# Altium PCB Copy of Mixed Signal Board Project.PcbDoc (part 2 of 2)
Units mm, origin at the board's own origin, x right, y up, seen from the top; angles counter-clockwise.
Board outline 70.23 x 70.1 mm, 4 copper layers (Top Layer, GND, VCC, Bottom Layer), stack 1.565 mm thick; 189 components, 143 nets, 740 pads, 207 vias.
Unrouted connection lines stored in the file: 249.
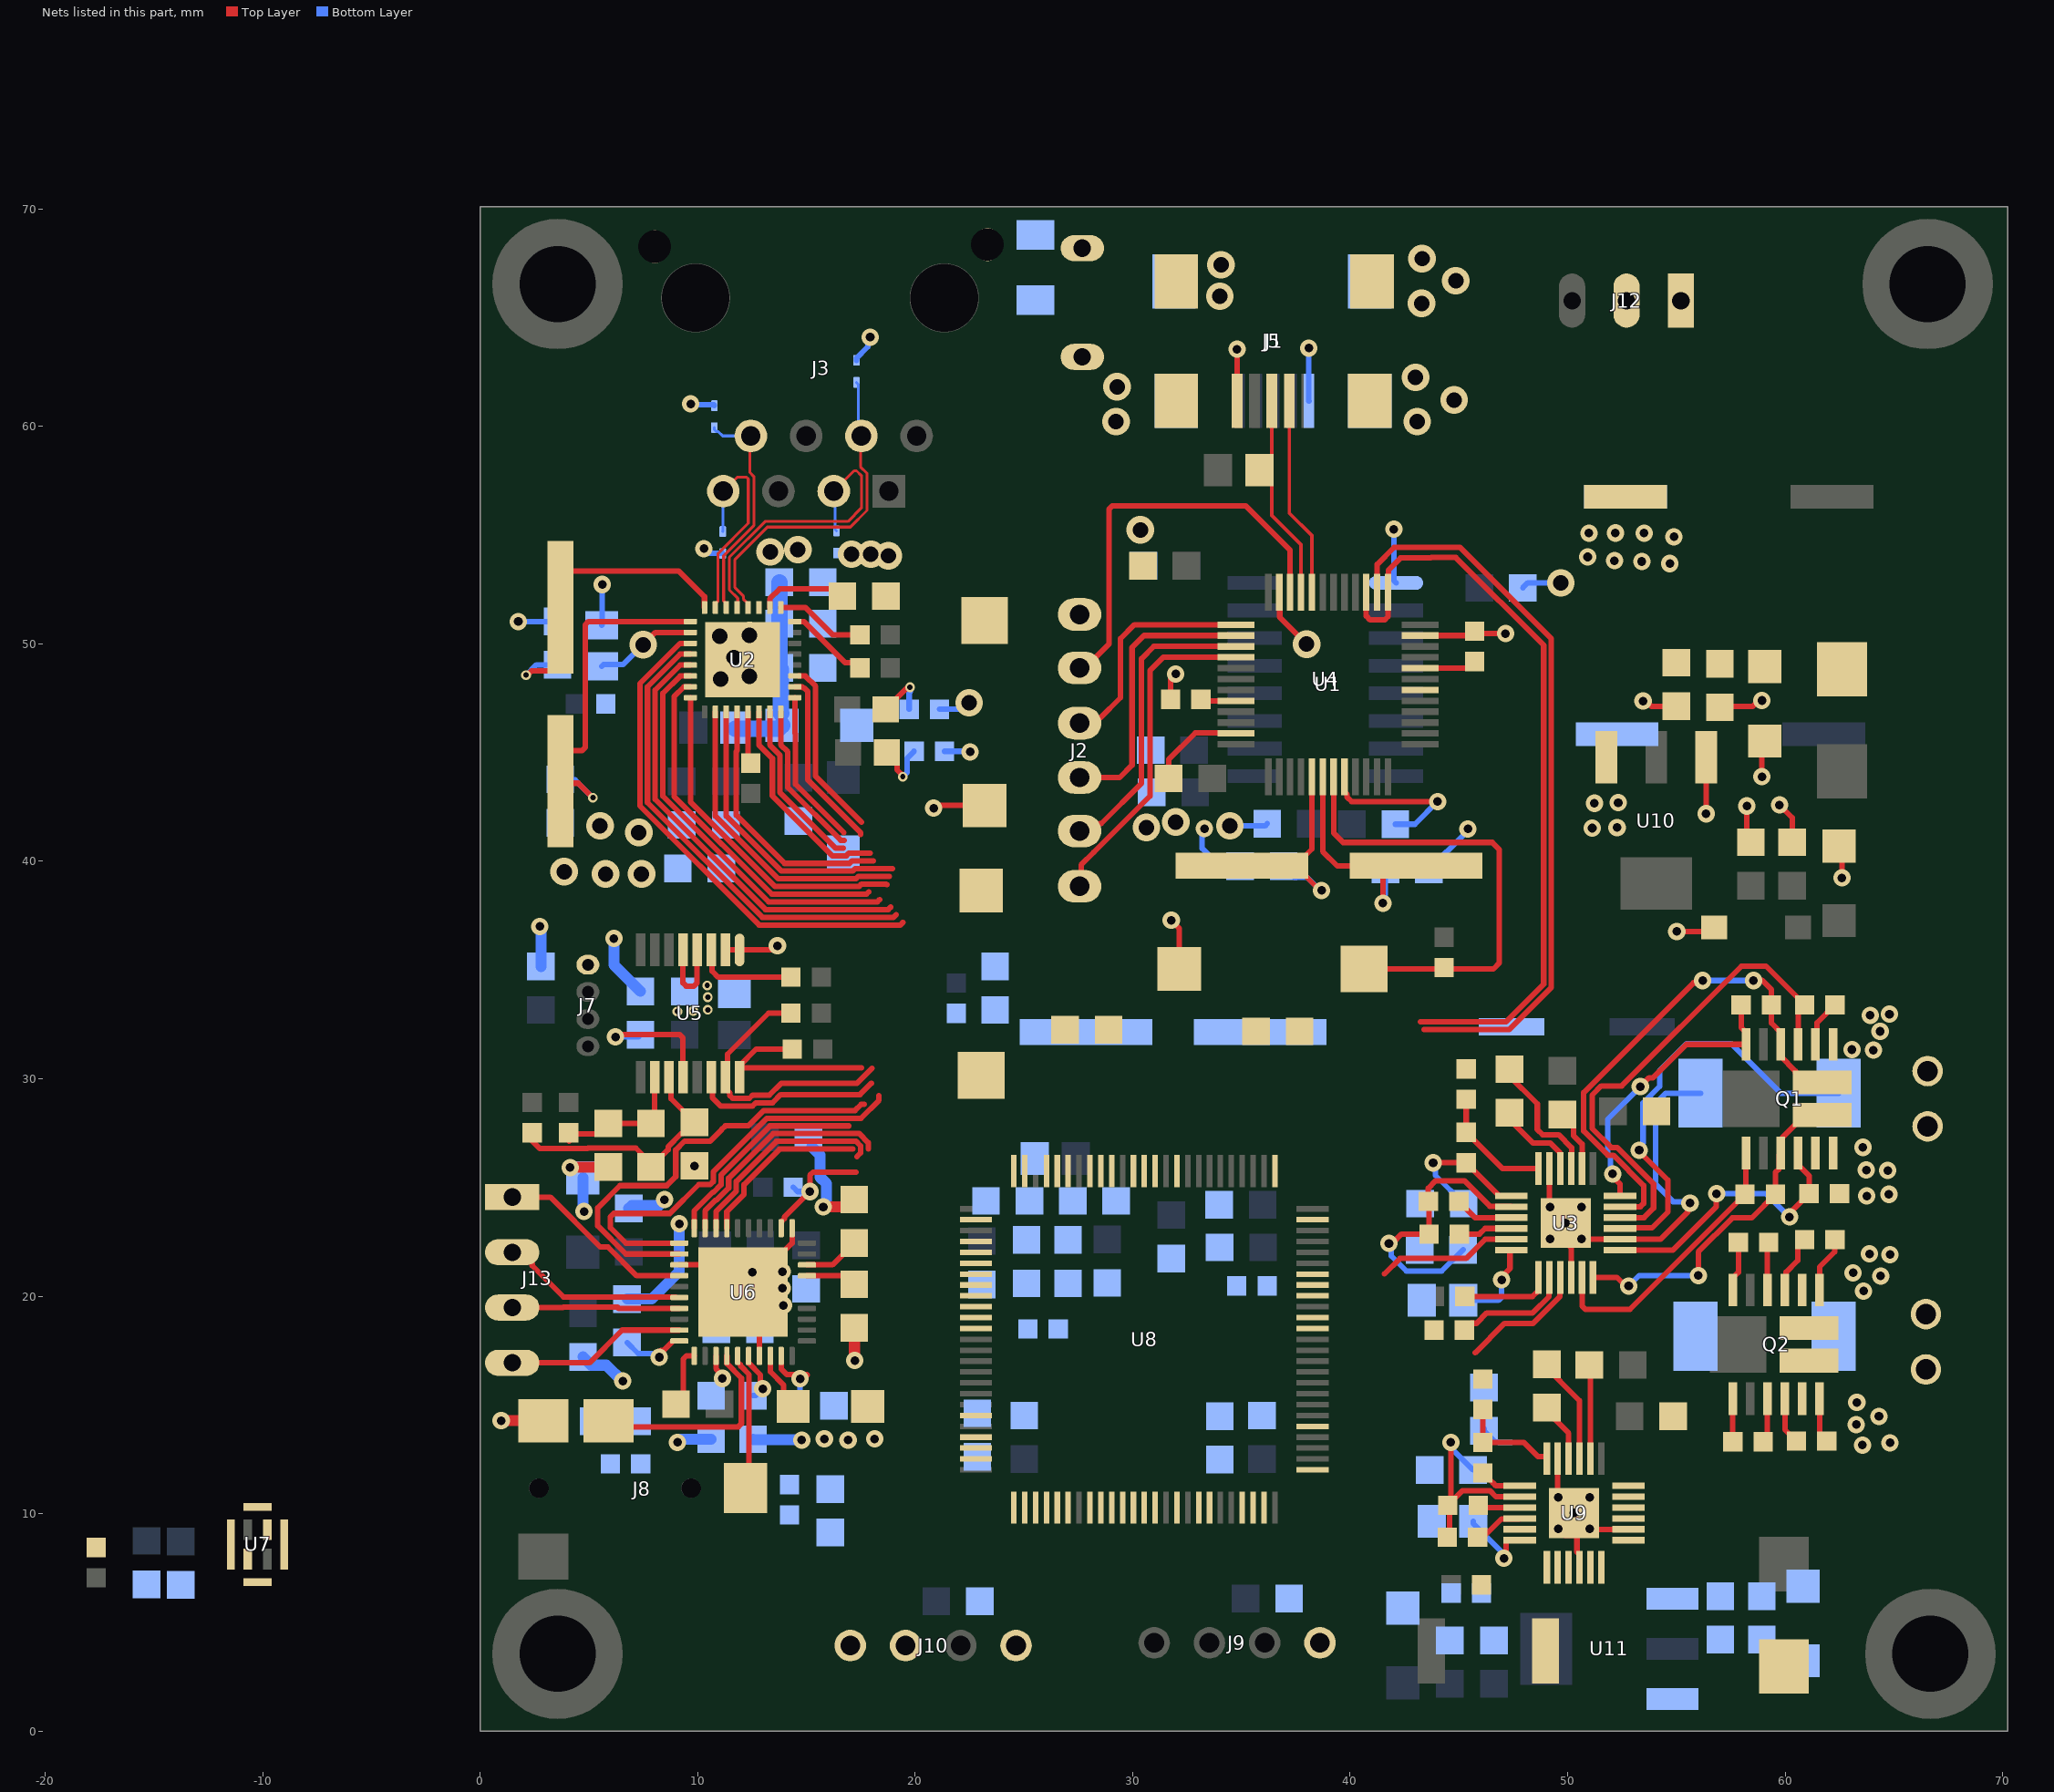
[diagram p4: the nets of this part, all layers, seen from the top]

## Via types
v1: diameter 0.8, hole 0.4, Top Layer to Bottom Layer, 154 vias
v2: diameter 1.27, hole 0.711, Top Layer to Bottom Layer, 40 vias
v3: diameter 0.45, hole 0.25, Top Layer to Bottom Layer, 13 vias

## Nets (pads, with @x,y where several pads share a name; then routed paths per layer and width w, separated by ;. In a path a pad name is that pad's centre, name@x,y a point inside that pad or via, vN(x,y) a via of type N, cw(c..) or ccw(c..) an arc to the next point about the centre after c; other vN are vias at no path point) (continued)
DOUT_MIC: U7.4 U8.53
DRDY: U5.14 U8.56 | length 8.9
  Top Layer w0.254: U5.14@10.625,30.078 10.677,30.026 10.677,29.125 11.055,28.747 12.525,28.747 12.673,28.896 13.446,28.896 13.821,29.271 17.46,29.271 17.983,29.794
DVDD: C25.1 R22.2 R23.2 U3.8 | length 13.2
  Top Layer w0.254: v1(41.783,22.428) 41.931,22.428 42.363,22.86 R23.2@43.624,22.86 43.624,24.333 R22.2@43.599,24.359 43.586,24.371 43.586,24.968 43.917,25.298 45.266,25.298 46.424,24.141 47.388,24.141 U3.8@47.411,24.118
  Bottom Layer w0.254: v1(41.783,22.428) 41.887,22.324 41.887,21.852 42.581,21.158 44.212,21.158 C25.1@45.192,22.138
DVDD_2: C71.1 R46.2 R47.2 U9.8 | length 9.7
  Top Layer w0.254: R47.2@44.463,8.915 44.577,9.03 R46.2@44.577,10.478 ; v1(44.628,13.284) 44.628,10.528 R46.2@44.577,10.478 ; U9.8@47.792,10.783 46.701,10.783 46.424,11.06 45.16,11.06 R46.2@44.577,10.478
  Bottom Layer w0.254: v1(44.628,13.284) 44.732,13.18 44.732,12.935 C71.1@45.653,12.014
EARTH: C21.1 R12.1
EN: R24.2 U3.14 U8.45 | length 5.4
  Top Layer w0.254: R24.2@45.25,18.44 45.568,18.758 45.809,18.758 46.283,19.232 48.391,19.232 49.138,19.979 49.138,20.841 U3.14@49.161,20.864
EN_2: R48.2 U8.66 U9.14
EXT_UART_RX: J10.1 U8.69
EXT_UART_TX: J10.2 U8.68
FAULT: R22.1 U3.9 U8.62 | length 2.7
  Top Layer w0.254: R22.1@44.996,24.359 45.737,23.618 U3.9@47.411,23.618
FAULT_2: R46.1 U8.59 U9.9 | length 2
  Top Layer w0.254: R46.1@45.885,10.389 45.991,10.283 U9.9@47.792,10.283
GH1: Q1.1 R15.2 U3.17 | length 13
  Top Layer w0.254: U3.17@50.661,20.864 50.661,19.554 50.81,19.406 52.87,19.406 57.836,24.371 58.124,24.66 58.198,24.734 Q1.1@58.198,26.583
GH1_2: Q2.1 R39.2 U9.17 | length 2
  Top Layer w0.254: Q2.1@57.587,15.292 57.587,13.317 R39.2@57.594,13.31
GH2: Q1.12 R16.2 U3.24 | length 13.5
  Top Layer w0.254: v1(52.07,25.629) 52.07,25.49 52.411,25.149 U3.24@52.411,24.618 ; v1(53.34,29.642) 53.746,30.048 53.924,30.048 55.459,31.583 Q1.12@58.198,31.583 58.198,32.133 57.975,32.356 R16.2@57.975,33.401
  Bottom Layer w0.254: v1(52.07,25.629) 51.968,25.73 51.968,26.41 51.841,26.537 51.841,28.143 v1(53.34,29.642)
GH2_2: Q2.12 R40.2 U9.24 | length 2.3
  Top Layer w0.254: Q2.12@57.587,20.292 57.587,20.842 57.848,21.103 R40.2@57.848,22.479
GL1: Q1.4 R17.2 U3.19 | length 13.2
  Top Layer w0.254: U3.19@52.411,22.118 54.833,22.118 56.839,24.124 56.839,24.708 v1(56.845,24.714) ; v1(60.198,23.647) 60.302,23.752 60.302,23.917 R17.2@61.1,24.714 61.1,25.54 60.679,25.96 60.671,25.96 60.598,26.033 Q1.4@60.598,26.583
  Bottom Layer w0.254: v1(56.845,24.714) 59.131,24.714 v1(60.198,23.647)
GL1_2: Q2.4 R41.2 U9.19 | length 2.2
  Top Layer w0.254: Q2.4@59.987,15.292 59.987,13.863 R41.2@60.515,13.335
GL2: Q1.9 R18.2 U3.22 | length 23.1
  Top Layer w0.254: U3.22@52.411,23.618 53.514,23.618 53.95,24.054 53.95,25.171 52.28,26.841 52,26.841 51.13,27.711 51.13,29.254 51.547,29.671 52.482,29.671 57.99,35.179 59.118,35.179 R18.2@60.896,33.401 60.598,33.103 Q1.9@60.598,31.583
GL2_2: Q2.9 R42.2 U9.22 | length 2.7
  Top Layer w0.254: Q2.9@59.987,20.292 60.046,20.351 60.046,21.107 60.579,21.641 60.579,22.288 R42.2@60.896,22.606
GND: C1.1 C2.2 C3.2 C4.1 C5.1 C6.1 C7.1 C8.1 C9.2 C10.2 C11.2 C12.1 C13.1 C14.1 C15.2 C16.1 C17.1 C18.1 C19.2 C20.2 C23.2 C24.1 C25.2 C26.1 C27.1 C28.1 C30.1 C31.2 C32.2 C33.1 C34.1 C35.1 C36.1 C37.1 C39.1 C40.1 C41.1 C42.1 C43.1 C44.2 C45.2 C46.2 C47.2 C48.1 C49.1 C50.1 C51.1 C52.1 C53.1 C54.1 C55.1 C56.1 C57.1 C58.1 C59.1 C60.1 C61.1 C62.1 C63.1 C64.1 C65.1 C66.1 C67.1 C70.1 C71.2 C72.2 C73.2 C74.2 C75.1 C76.1 C77.1 C78.2 C79.1 C80.1 C81.1 C82.1 C83.1 C84.2 C85.1 C86.1 C87.1 C88.1 C90.1 C92.1 C93.2 D1.A D2.A D3.A D4.A D6.A D8.A J1.5 J1.6 J2.6 J5.5 J5.6 J7.4 J8.1 J9.4 J10.4 J12.1 J12.2 R1.2 R4.1 R6.2 R7.2 R10.1 R14.2 R19.1 R20.1 R24.1 R34.1 R36.1 R38.2 R43.1 R44.1 R48.1 SW1.1 SW2.1 SW3.1 U1.8 U1.23 U1.35 U1.47 U2.33 U3.5 U3.16 U3.20 U3.25 U4.1 U5.1 U5.2 U5.4 U5.5 U6.3 U6.17 U6.31 U6.41 U7.5 U8.10 U8.20 U8.27 U8.74 U8.99 U9.5 U9.16 U9.20 U9.25 U10.1 U11.1 | length 136.5
  Top Layer w0.254: U6.3@9.155,21.443 10.84,21.443 U6.41@12.09,20.193 ; U5.5@9.325,35.928 9.325,34.413 9.474,34.265 9.826,34.265 9.975,34.413 U5.4@9.975,35.928 ; U5.2@11.275,35.928 U5.1@11.925,35.928 13.475,35.928 v1(13.665,36.119) ; U6.17@12.84,17.258 12.84,19.443 U6.41@12.09,20.193 ; U6.31@14.34,23.128 14.34,22.443 U6.41@12.09,20.193 ; v1(20.853,42.443) 20.98,42.57 SW2.1@23.19,42.57 ; C3.2@31.655,43.815 31.655,44.685 32.876,45.906 34.728,45.906 U1.47@34.751,45.883 ; R1.2@31.737,47.447 31.737,48.374 v1(31.979,48.616) ; v1(31.775,37.287) 32.14,36.923 SW1.1@32.14,35.052 ; v1(34.798,63.551) 34.801,63.548 34.801,61.178 J1.5@34.804,61.175 ; U1.35@36.739,52.371 36.762,52.348 36.762,51.224 v2(37.998,49.987) ; U1.8@39.739,43.895 39.739,43.195 39.862,43.072 39.862,42.951 40.065,42.748 v1(44.018,42.748) ; U1.23@43.227,50.383 45.519,50.383 R4.1@45.72,50.584 45.834,50.47 v1(47.142,50.47) ; U3.5@49.161,25.868 49.161,24.118 v1(49.186,24.093) ; v1(49.186,22.643) 49.749,22.643 50.161,22.231 U3.16@50.161,20.864 ; U9.5@49.542,12.533 49.542,10.783 v1(49.567,10.758) ; v1(49.567,9.308) 49.865,9.01 50.428,9.01 50.428,8.243 50.542,8.129 U9.16@50.542,7.529 ; v1(50.636,22.643) 50.661,22.618 U3.20@52.411,22.618 54.266,22.618 55.522,23.873 55.522,24.178 v1(55.626,24.282) ; v1(51.017,9.308) 51.042,9.283 U9.20@52.792,9.283 ; v1(53.467,47.371) 53.615,47.371 53.853,47.133 C80.1@54.991,47.133 ; v1(55.016,36.779) 56.553,36.779 D6.A@56.737,36.963 ; v1(56.363,42.189) 56.377,42.203 U10.1@56.377,44.785 ; C78.2@56.998,47.082 57.033,47.117 58.501,47.117 58.78,47.396 v1(58.928,47.396) ; v1(58.242,42.545) 58.242,41.056 C75.1@58.42,40.878 ; v1(58.928,43.891) 58.928,45.398 C79.1@59.06,45.53 ; v1(59.741,42.596) 60.325,42.012 C76.1@60.325,40.878 ; C77.1@62.479,40.703 62.611,40.571 v1(62.611,39.243)
  Top Layer w0.508: v1(0.966,14.276) v1(0.966,14.276) J8.1@2.898,14.276 ; v1@4.42,25.933 5.877,25.933 C87.1@5.893,25.949 ; v1(15.773,24.105) 16.856,24.105 C45.2@17.196,24.444 ; C44.2@17.196,18.549 17.209,18.536 17.209,17.056 v1(17.221,17.043)
  Bottom Layer w0.254: v1@1.762,51.038 v1(1.753,51.029) 3.547,51.029 C15.2@3.556,51.038 ; C20.2@3.683,41.774 C20.2@3.826,41.631 ; R10.1@5.588,50.861 5.613,50.886 v1(5.613,52.73) ; v1(9.677,61.036) 9.718,60.995 10.747,60.995 10.77,60.972 D2.A@10.77,60.954 ; v1(10.287,54.381) 10.51,54.159 D1.A@11.151,54.159 ; D4.A@17.297,63.037 17.297,63.132 17.828,63.662 17.828,64.005 v1(17.932,64.11) ; R7.2@21.12,46.99 22.276,46.99 v2@22.377,47.092 ; R6.2@21.349,45.06 22.504,45.06 v1(22.53,45.034) ; v1(33.299,41.504) 33.195,41.399 33.195,40.853 33.191,40.85 33.191,40.596 34.011,39.776 C4.1@34.941,39.776 ; v2(34.468,41.631) 36.084,41.631 C7.1@36.186,41.732 ; v1(38.1,63.602) 38.102,63.6 38.102,61.177 J5.5@38.104,61.175 ; v1(42.012,55.27) 42.012,52.907 U4.1@42.112,52.807 ; C8.1@42.072,41.707 42.977,41.707 v1(44.018,42.748) ; C6.1@43.621,39.624 45.314,41.317 45.314,41.394 v1(45.415,41.496) ; C9.2@47.939,52.578 48.168,52.806 v2(49.682,52.806) ; v1(55.626,24.282) 55.556,24.352 54.845,24.352 54.051,25.146 54.051,28.88 54.508,29.337 R20.1@56.109,29.337
  Bottom Layer w0.508: v1(2.743,37.008) 2.794,36.957 C30.1@2.794,35.163 ; C40.1@4.724,17.212 5.105,16.831 5.801,16.831 6.528,16.104 v1(6.553,16.104) ; C41.1@4.724,25.451 4.724,23.952 v1(4.775,23.901) ; v1(6.147,36.449) 6.147,35.239 C28.1@7.366,34.02 ; C39.1@6.756,19.872 7.883,19.872 9.156,21.145 v1(9.156,23.336) ; C42.1@6.833,24.038 6.976,24.181 8.23,24.181 8.472,24.423 v1(8.472,24.446) ; v1(9.068,13.284) 9.211,13.427 C37.1@10.617,13.427 ; C36.1@12.548,13.427 12.568,13.407 14.762,13.407 v1(14.783,13.386) ; C43.1@15.249,26.873 15.63,26.492 15.63,25.476 15.918,25.189 15.918,24.328 15.773,24.184 v1(15.773,24.105)
  other v1: 50.292,10.033 51.017,10.758 16.916,13.386 15.824,13.437 18.136,13.437 13.945,19.583 13.894,20.371 12.522,21.107 13.894,21.133 49.911,23.368 50.636,24.093 4.135,25.921 9.855,25.984 51.13,41.529 52.273,41.554 51.232,42.672 52.324,42.697 54.697,53.695 53.406,53.79 52.154,53.828 50.921,53.998 54.887,54.928 50.978,55.093 52.192,55.099 53.518,55.093
  other v2: 5.766,39.421 7.417,39.421 3.861,39.522 7.29,41.326 30.632,41.554 5.512,41.631 31.979,41.808 22.479,47.295 11.049,48.387 12.384,48.514 11.659,49.378 11.024,50.343 12.384,50.394 18.771,54.051 17.069,54.127 17.958,54.127 30.353,55.245 29.235,60.223 43.078,60.223 44.78,61.214 29.286,61.824 43.002,62.255 43.282,65.659 34.011,65.989 44.856,66.7 34.061,67.437 43.307,67.716
  other v3: 9.068,33.096 9.804,33.122 10.465,33.172 10.465,33.757 10.439,34.29
INT: R9.1 U2.21 | length 2.4
  Top Layer w0.254: U2.21@12.315,46.876 12.315,44.644 R9.1@12.446,44.513
JTCK/SWCLK_F103: J2.4 U1.37 | length 10.7
  Top Layer w0.254: J2.4@27.559,46.355 27.797,46.593 28.509,46.593 29.439,47.523 29.439,50.241 30.08,50.883 U1.37@34.751,50.883
JTCLK_408: U1.18 U8.76
JTDI_F103: J2.3 U1.38 | length 13.1
  Top Layer w0.254: J2.3@27.559,43.855 29.402,43.855 29.972,44.425 29.972,49.835 30.52,50.383 U1.38@34.751,50.383
JTDO_F103: J2.2 U1.39 | length 14.1
  Top Layer w0.254: J2.2@27.559,41.395 28.146,41.395 28.49,41.739 28.556,41.739 30.404,43.586 30.404,49.318 30.969,49.883 U1.39@34.751,49.883
JTMS/SWDIO_F103: J2.5 U1.34 | length 19.2
  Top Layer w0.254: J2.5@27.559,48.895 27.809,48.895 28.905,49.991 28.905,56.188 29.054,56.337 35.204,56.337 37.239,54.303 U1.34@37.239,52.371
JTMS_F407: U1.25 U1.27 U8.72 | length 35.4
  Top Layer w0.254: U1.27@40.739,52.371 40.739,51.285 40.919,51.105 41.59,51.105 41.739,51.254 U1.25@41.739,52.371 41.754,52.386 41.754,53.387 42.316,53.95 43.713,53.95 43.739,53.975 44.856,53.975 48.897,49.935 48.897,34.35 47.162,32.615 43.232,32.615
LRCK: U6.40 U8.90 | length 9.8
  Top Layer w0.254: U6.40@9.84,23.128 9.84,23.93 10.695,24.784 10.731,24.784 11.071,25.125 11.071,25.576 13.329,27.834 16.956,27.834
MCLK: U6.37 U8.29 | length 8
  Top Layer w0.254: U6.37@11.34,23.128 11.34,23.892 12.133,24.685 12.133,25.136 13.769,26.772 17.137,26.772
MDC: U2.12 U8.16 | length 21.6
  Top Layer w0.254: U2.12@9.665,49.526 9.193,49.526 7.693,48.026 7.693,42.701 12.968,37.427 19.009,37.427 19.121,37.538
MDIO: R11.2 U2.11 U8.25 | length 23.1
  Top Layer w0.254: U2.11@9.665,50.026 9.192,50.026 7.339,48.173 7.339,42.555 12.821,37.073 19.32,37.073 19.431,37.184
NetC4_2: C4.2 U1.5 X1.1 | length 10.7
  Top Layer w0.254: X1.1@35.028,39.802 X1.1@37.476,39.802 ; U1.5@38.239,43.895 38.239,40.565 X1.1@37.476,39.802 ; v1(38.684,38.659) 38.619,38.659 X1.1@37.476,39.802
  Bottom Layer w0.254: C4.2@36.941,39.776 37.449,39.268 38.01,39.268 38.619,38.659 v1(38.684,38.659)
NetC6_2: C6.2 U1.6 X1.2 | length 11.5
  Top Layer w0.254: U1.6@38.739,43.895 38.739,40.458 39.407,39.79 X1.2@41.965,39.79 ; v1(41.504,38.075) 41.504,39.329 X1.2@41.965,39.79 ; X1.2@43.028,39.802 41.977,39.802 X1.2@41.965,39.79
  Bottom Layer w0.254: v1(41.504,38.075) 41.478,38.1 41.478,38.329 41.621,38.472 C6.2@41.621,39.624
NetC10_1: C10.1 U2.2 | length 4.1
  Top Layer w0.254: U2.2@13.315,51.676 13.317,51.678 13.317,52.077 13.767,52.527 16.323,52.527 C10.1@16.653,52.197
NetC11_1: C11.1 C12.2 C13.2 C14.2 FB1.2 U2.3 | length 8.3
  Bottom Layer w0.762: FB1.2@11.729,46.101 13.724,46.101 C11.1@13.881,46.258 ; C14.2@13.754,52.832 C13.2@13.754,50.927 C12.2@13.754,48.895 13.831,48.819 13.831,46.817 C11.1@13.839,46.809
  other v2: 13.335,54.229 14.605,54.331
NetC15_1: C15.1 U2.8 Y1.2 | length 15
  Top Layer w0.254: v3(2.108,48.565) 2.161,48.565 2.363,48.767 3.21,48.767 3.683,49.24 3.683,52.884 4.156,53.357 9.127,53.357 10.313,52.171 10.313,51.678 U2.8@10.315,51.676
  Bottom Layer w0.254: v3(2.108,48.565) 2.581,49.038 C15.1@3.556,49.038
NetC20_1: C20.1 C93.1 U2.9 Y1.1 | length 15.9
  Top Layer w0.254: v3(5.182,42.926) 4.515,43.592 3.779,43.592 Y1.1@3.683,43.688 3.683,44.612 4.156,45.085 4.677,45.085 4.826,45.234 4.826,50.877 4.975,51.026 U2.9@9.665,51.026
  Bottom Layer w0.254: 4.331,43.739 4.369,43.739 v3(5.182,42.926)
NetC21_2: C21.2 J3.9 J3.10 R12.2
NetC22_1: C22.1 U3.2 | length 2.8
  Top Layer w0.254: C22.1@49.733,28.134 49.987,28.134 50.267,27.854 50.267,27.393 50.661,26.999 U3.2@50.661,25.868
NetC24_2: C24.2 R13.1 U3.7 | length 6.7
  Top Layer w0.254: v1(43.815,26.137) 43.817,26.139 R13.1@45.335,26.139 46.788,24.686 46.788,24.641 46.811,24.618 U3.7@47.411,24.618
  Bottom Layer w0.254: v1(43.815,26.137) 43.919,26.032 43.919,25.559 C24.2@45.221,24.257
NetC28_2: C28.2 FB2.2 U5.12 | length 6.2
  Top Layer w0.254: v1(6.223,31.928) 6.325,32.029 9.176,32.029 9.325,31.881 U5.12@9.325,30.078
  Bottom Layer w0.254: v1(6.223,31.928) 7.274,31.928 C28.2@7.366,32.02
NetC29_1: C29.1 C87.2 R29.1 U5.10 | length 6.4
  Top Layer w0.254: R29.1@4.089,27.14 4.407,27.457 5.401,27.457 C87.2@5.893,27.949 8.026,27.949 8.025,27.951 U5.10@8.025,30.078
NetC29_2: C29.2 C88.2 R28.1 U5.11 | length 11.6
  Top Layer w0.254: R28.1@2.362,27.165 2.742,26.786 4.935,26.786 4.966,26.817 7.159,26.817 8.026,25.949 8.026,26.127 8.639,26.74 8.639,26.876 9.255,27.492 9.347,27.492 C88.2@9.855,28 8.773,29.082 8.773,29.98 U5.11@8.675,30.078
NetC31_1: C31.1 R30.2
NetC32_1: C32.1 R31.2
NetC33_2: C33.2 C36.2 C37.2 FB3.2 U6.13 U6.16 | length 3.5
  Top Layer w0.254: U6.13@10.84,17.258 10.842,17.256 10.842,16.663 11.135,16.37 v1(11.135,16.223) ; U6.16@12.34,17.258 12.34,16.927 12.888,16.379 12.888,15.852 v1(12.993,15.748)
  Bottom Layer w0.254: C36.2@12.548,15.427 12.672,15.427 v1(12.993,15.748)
NetC38_1: C38.1 U6.11 | length 2.4
  Top Layer w0.254: C38.1@9.49,15.342 9.33,15.502 9.33,17.109 9.479,17.258 U6.11@9.84,17.258
NetC39_2: C39.2 U6.10 | length 2.8
  Top Layer w0.254: v1@8.306,17.501 8.422,17.501 8.864,17.943 U6.10@9.155,17.943
  Bottom Layer w0.254: C39.2@6.756,17.872 7.264,17.364 7.914,17.364 8.082,17.196 v1(8.23,17.196)
NetC44_1: C44.1 U6.27 | length 2.3
  Top Layer w0.254: U6.27@15.025,20.943 16.801,20.943 C44.1@17.196,20.549
NetC45_1: C45.1 U6.28 | length 2.6
  Top Layer w0.254: U6.28@15.025,21.443 16.194,21.443 C45.1@17.196,22.444
NetC46_1: C46.1 U6.19 | length 3.3
  Top Layer w0.254: U6.19@13.84,17.258 13.842,17.256 13.842,16.656 14.09,16.408 15.011,16.408 v1@15.037,16.383
  Bottom Layer w0.254: C46.1@14.265,14.961 14.707,15.402 v1(14.707,16.205)
NetC47_1: C47.1 U6.18 | length 2.8
  Top Layer w0.254: U6.18@13.34,17.258 13.342,17.256 13.342,16.528 13.946,15.924 13.946,15.374 C47.1@14.389,14.93
NetC53_2: C53.2 U8.12 X2.2
NetC54_2: C54.2 U8.13 X2.1
NetC61_2: C61.2 U8.73
NetC62_2: C62.2 U8.49
NetC63_2: C63.2 C64.2 C65.2 C66.2 FB4.2 U8.21 U8.22
NetC68_1: C68.1 U9.2 | length 4.3
  Top Layer w0.254: C68.1@50.994,16.84 51.042,16.792 U9.2@51.042,12.533
NetC70_2: C70.2 R37.1 U9.7 | length 3.5
  Top Layer w0.254: R37.1@46.101,11.875 46.561,11.414 46.57,11.414 46.701,11.283 U9.7@47.792,11.283
  Bottom Layer w0.254: C70.2@46.152,13.91 C70.2@46.152,13.808 46.66,13.3 46.793,13.3 46.809,13.284 47.422,13.284
NetC78_1: C78.1 C79.2 C80.2 D5.K U10.3
NetC84_1: C84.1 C85.2 C86.2 D7.K U11.3
NetC89_1: C89.1 U3.4 | length 3.8
  Top Layer w0.254: C89.1@47.269,28.185 48.403,27.051 49.199,27.051 49.638,26.612 49.638,26.491 49.661,26.468 U3.4@49.661,25.868
NetC89_2: C89.2 U3.3 | length 6
  Top Layer w0.254: C89.2@47.269,30.185 48.604,28.85 48.604,27.672 48.844,27.432 49.581,27.432 50.184,26.829 50.184,25.891 U3.3@50.161,25.868
NetC91_1: C91.1 U9.4 | length 2.9
  Top Layer w0.254: C91.1@48.819,14.926 50.042,13.703 U9.4@50.042,12.533
NetC91_2: C91.2 U9.3 | length 5.1
  Top Layer w0.254: C91.2@48.819,16.926 50.542,15.203 U9.3@50.542,12.533
NetDS1_K: DS1.K R6.1 | length 2.8
  Top Layer w0.254: DS1.K@18.694,45.009 19.167,44.536 19.167,44.208 19.431,43.944 v3(19.431,43.891)
  Bottom Layer w0.254: v3(19.431,43.891) 19.634,44.094 19.634,44.742 R6.1@19.952,45.06
NetDS2_K: DS2.K R7.1 | length 2.6
  Top Layer w0.254: DS2.K@18.644,46.99 19.622,47.968 19.724,47.968 v3(19.761,48.006)
  Bottom Layer w0.254: R7.1@19.723,46.99 19.723,47.739 19.77,47.786 19.77,47.997 v3(19.761,48.006)
NetJ8_2: J8.2 R30.1 U6.15 | length 6.1
  Top Layer w0.254: U6.15@11.842,16.965 11.986,16.821 11.986,16.816 11.988,16.814 11.988,16.778 12.366,16.401 12.366,11.344 J8.2@12.198,11.176
NetJ8_3: J8.3 R31.1 U6.14 | length 9.7
  Top Layer w0.254: J8.3@5.898,14.276 6.178,13.995 11.863,13.995 12.012,14.144 12.012,16.233 11.34,16.904 U6.14@11.34,17.258
NetR1_1: R1.1 U1.44 | length 1.6
  Top Layer w0.254: R1.1@33.007,47.422 R1.1@33.019,47.434 ; R1.1@33.134,47.383 U1.44@34.751,47.383
NetR4_2: R4.2 U1.20 | length 2.6
  Top Layer w0.254: U1.20@43.227,48.883 45.416,48.883 R4.2@45.72,49.187
NetR8_1: R8.1 U2.1 | length 4.2
  Top Layer w0.254: U2.1@13.815,51.676 14.948,51.676 16.205,50.419 R8.1@17.459,50.419
NetR10_2: R10.2 U2.10 | length 4.7
  Top Layer w0.254: v2(7.493,49.962) 8.057,50.526 U2.10@9.665,50.526
  Bottom Layer w0.254: R10.2@5.588,48.961 5.672,49.045 6.57,49.045 v2@7.487,49.962
NetR13_2: R13.2 R14.1 U3.6 | length 5.5
  Top Layer w0.254: R14.1@45.335,29.06 R13.2@45.335,27.536 47.003,25.868 U3.6@48.661,25.868
NetR19_2: R19.2 U3.12 | length 4.2
  Top Layer w0.254: v1(46.965,20.752) 46.965,20.9 47.346,21.281 47.346,22.095 47.388,22.095 U3.12@47.411,22.118
  Bottom Layer w0.254: R19.2@45.197,19.812 46.816,19.812 46.965,19.961 v1(46.965,20.752)
NetR21_2: R21.2 U3.13 | length 4.1
  Top Layer w0.254: R21.2@45.276,19.99 48.383,19.99 48.661,20.268 U3.13@48.661,20.868
NetR33_2: R33.2 U7.2
NetR34_2: R34.2 U8.37
NetR36_2: R36.2 U8.94
NetR37_2: R37.2 R38.1 U9.6 | length 4.8
  Top Layer w0.254: R38.1@46.101,14.796 R37.2@46.101,13.272 47.993,13.272 48.641,12.624 49.019,12.624 49.042,12.601 U9.6@49.042,12.533
NetR43_2: R43.2 U9.12 | length 3.8
  Top Layer w0.254: v1(47.066,7.95) 47.169,8.053 47.169,8.76 47.192,8.783 U9.12@47.792,8.783
  Bottom Layer w0.254: R43.2@45.654,9.652 45.654,9.552 46.962,8.244 46.962,8.055 v1(47.066,7.95)
NetR45_2: R45.2 U9.13
NRST: R3.1 SW1.2 U1.7 | length 22.2
  Top Layer w0.254: U1.7@39.239,43.895 39.239,41.304 39.675,40.869 46.533,40.869 46.863,40.538 46.863,35.331 46.584,35.052 R3.1@44.348,35.052 ; SW1.2@40.64,35.052 R3.1@44.323,35.052 ; R3.1@44.323,35.243 44.323,35.103 R3.1@44.348,35.077
NTJRST_F103: J2.1 U1.40 | length 15.5
  Top Layer w0.254: J2.1@27.559,38.855 27.629,38.925 27.629,39.837 28.21,40.418 28.214,40.418 30.793,42.997 30.793,48.776 31.4,49.383 U1.40@34.751,49.383
NTRST_F407: U1.26 U8.14 | length 34
  Top Layer w0.254: U1.26@41.239,52.371 41.239,53.66 42.012,54.432 45.06,54.432 49.251,50.241 49.251,34.203 47.309,32.261 43.401,32.261
NTRST_F408: C52.2 R35.1 SW3.2
OUTA+: J13.1 U6.4 | length 9.2
  Top Layer w0.254: J13.1@1.473,24.562 3.228,24.562 5.522,22.268 5.873,22.268 7.198,20.943 U6.4@9.155,20.943
OUTA-: J13.2 U6.6 | length 8.4
  Top Layer w0.254: J13.2@1.473,22.022 1.867,22.022 2.39,21.499 2.39,21.41 3.836,19.964 U6.6@8.989,19.964
OUTB+: J13.3 U6.7 | length 7.7
  Top Layer w0.254: J13.3@1.473,19.482 3.803,19.482 3.821,19.499 6.313,19.499 6.37,19.443 U6.7@9.155,19.443
OUTB-: J13.4 U6.9 | length 8.3
  Top Layer w0.254: J13.4@1.473,16.942 5.029,16.942 6.53,18.443 U6.9@9.155,18.443
PH: U3.15 U8.63 | length 5.9
  Top Layer w0.254: 45.745,17.399 47.099,18.753 48.413,18.753 49.638,19.978 49.638,20.841 U3.15@49.661,20.864
PH_2: U8.60 U9.15
PHY_RESET: R5.1 SW2.2 U2.32 U8.64 | length 3.9
  Top Layer w0.254: U2.32@14.465,51.026 14.887,51.026 16.783,49.13 17.224,49.13 R5.1@17.459,48.895
RD_N: D4.K J3.6 U2.4 | length 15.6
  Top Layer w0.132: U2.4@12.315,51.676 12.315,51.851 12.101,52.065 12.101,52.203 11.714,52.591 11.714,53.878 13.208,55.372 17.018,55.372 17.785,56.139 17.785,57.845 17.486,58.144 17.486,59.523 J3.6@17.526,59.563
  Bottom Layer w0.132: D4.K@17.297,62.027 17.382,61.943 17.382,59.707 J3.6@17.526,59.563
RD_P: D3.K J3.5 U2.5 | length 14.6
  Top Layer w0.132: U2.5@11.815,51.676 11.843,51.704 11.843,52.096 11.455,52.484 11.455,53.985 13.101,55.631 16.911,55.631 17.526,56.246 17.526,57.738 17.303,57.961 17.194,57.961 J3.5@16.256,57.023
  Bottom Layer w0.132: J3.5@16.256,57.023 16.319,56.959 16.319,55.255 D3.K@16.383,55.191
RESET: R27.1 U5.3 U8.55 | length 4.7
  Top Layer w0.254: U5.3@10.625,35.928 10.661,35.893 10.661,34.958 10.947,34.671 R27.1@14.288,34.671
RESET_DAC: R32.1 U6.32 U8.54 | length 6
  Top Layer w0.254: U6.32@13.84,23.128 13.84,23.419 13.988,23.567 13.988,23.64 v1(15.164,24.816) 15.164,25.566 15.313,25.714 17.272,25.714
  Bottom Layer w0.254: R32.1@14.389,25.019 14.592,24.816 v1(15.164,24.816)
RX_CLK: U2.19 U8.24 | length 13.5
  Top Layer w0.254: U2.19@11.315,46.876 11.315,42.083 13.848,39.551 17.125,39.551 17.236,39.662 18.957,39.662
RX_D0: U2.16 U8.33 | length 15.5
  Top Layer w0.254: U2.16@9.665,47.526 9.665,42.732 13.554,38.843 17.418,38.843 17.529,38.954 18.664,38.954 18.696,38.922
RX_D1: U2.15 U8.34 | length 16.4
  Top Layer w0.254: U2.15@9.665,48.026 9.367,48.026 8.915,47.574 8.915,42.981 13.408,38.489 17.757,38.489 17.868,38.6
RX_D2: U2.14 U8.35 | length 18.4
  Top Layer w0.254: U2.14@9.665,48.526 9.194,48.526 8.401,47.733 8.401,42.995 13.261,38.135 18.259,38.135 18.37,38.246
RX_D3: U2.13 U8.36 | length 20.1
  Top Layer w0.254: U2.13@9.665,49.026 9.194,49.026 8.047,47.879 8.047,42.848 13.114,37.781 18.759,37.781 18.871,37.892
RX_DV: U2.18 U8.32 | length 14
  Top Layer w0.254: U2.18@10.815,46.876 10.815,42.083 13.701,39.197 17.271,39.197 17.383,39.308 18.81,39.308
RX_ER: U2.20 U8.47 | length 12
  Top Layer w0.254: U2.20@11.815,46.876 11.815,45.092 11.775,45.052 11.775,42.124 13.994,39.905 16.978,39.905 17.09,40.016 18.084,40.016
SCL: R25.1 U5.16 U6.2 U8.92 | length 29.3
  Top Layer w0.254: U6.2@9.155,21.943 6.699,21.943 5.402,23.239 5.402,24.064 6.426,25.087 8.578,25.087 8.993,25.503 8.993,26.729 9.402,27.138 10.584,27.138 11.094,27.648 11.094,27.658 11.274,27.838 12.333,27.838 13.036,28.542 17.231,28.542 17.519,28.829 17.653,28.829 ; R25.1@14.351,31.369 12.691,31.369 11.925,30.603 U5.16@11.925,30.078 11.925,30.407 12.023,30.505 17.526,30.505
SCLK: U6.38 U8.89 | length 9.7
  Top Layer w0.254: U6.38@10.84,23.128 10.842,23.13 10.842,23.895 11.779,24.831 11.779,25.282 13.622,27.126 17.284,27.126 17.491,26.918 17.491,26.591 17.323,26.422
SDA: R26.1 U5.15 U6.1 U8.93 | length 31.9
  Top Layer w0.254: U6.1@9.155,22.443 6.699,22.443 5.994,23.148 5.994,23.659 6.143,23.808 8.72,23.808 10.051,25.138 10.584,25.138 10.717,25.271 10.717,25.722 13.183,28.188 17.512,28.188 18.339,29.014 18.339,29.235 ; R26.1@14.288,33.02 13.259,33.02 11.373,31.134 11.373,30.176 U5.15@11.275,30.078 11.275,29.553 11.473,29.355 11.473,29.234 11.606,29.101 12.379,29.101 12.527,29.25 13.299,29.25 13.84,29.791 17.319,29.791 18.009,30.48
SDIN: U6.39 U8.80 | length 10.5
  Top Layer w0.254: U6.39@10.34,23.128 10.34,23.929 10.842,24.43 10.877,24.43 11.425,24.978 11.425,25.429 13.476,27.48 17.431,27.48 17.845,27.065 17.845,26.776
SH1: J4.1 Q1.3 Q1.13 R15.1 U3.18 | length 15.9
  Top Layer w0.254: U3.18@51.161,20.864 52.267,20.864 52.659,20.472 v1(52.807,20.472) ; v1(56.007,20.955) 56.007,22.042 57.569,23.604 58.466,23.604 R15.1@59.55,24.689 59.55,25.694 59.725,25.869 59.725,26.51 Q1.3@59.798,26.583 ; Q1.3@59.871,26.583 59.871,27.306 60.898,28.333 Q1.13@61.698,28.333
  Bottom Layer w0.254: v1(52.807,20.472) 53.289,20.955 v1(56.007,20.955)
SH1_2: J11.1 Q2.3 Q2.13 R39.1 U9.18 | length 2.1
  Top Layer w0.254: R39.1@58.991,13.31 59.187,13.505 Q2.3@59.187,15.292
SH2: J4.2 Q1.10 Q1.14 R16.1 U3.23 | length 24.2
  Top Layer w0.254: U3.23@52.411,24.118 53.344,24.118 53.492,24.267 53.492,25.093 52.098,26.487 51.853,26.487 50.739,27.602 50.739,29.364 55.789,34.414 56.106,34.414 v1(56.21,34.519) ; v1(58.547,34.519) 58.953,34.519 59.372,34.1 R16.1@59.372,33.401 59.372,32.559 59.798,32.133 Q1.10@59.798,31.583 59.798,31.033 60.475,30.356 60.475,30.256 60.898,29.833 Q1.14@61.698,29.833
  Bottom Layer w0.254: v1(56.21,34.519) v1(58.547,34.519)
SH2_2: J11.2 Q2.10 Q2.14 R40.1 U9.23 | length 2.2
  Top Layer w0.254: Q2.10@59.187,20.292 59.187,22.421 R40.1@59.245,22.479
SNSOUT: R23.1 U3.10 U8.61 | length 2.5
  Top Layer w0.254: R23.1@45.021,22.86 45.946,22.86 46.204,23.118 U3.10@47.411,23.118
SNSOUT_2: R47.1 U8.58 U9.10 | length 2.1
  Top Layer w0.254: R47.1@46.037,8.839 46.958,9.76 47.769,9.76 U9.10@47.792,9.783
SO: U3.11 U8.30 | length 6.5
  Top Layer w0.254: 41.58,21.031 42.291,21.742 45.329,21.742 46.205,22.618 U3.11@47.411,22.618
SO_2: U8.31 U9.11
SP: Q1.5 Q1.6 Q1.7 Q1.8 R17.1 R18.1 R20.2 U3.21 | length 21.8
  Top Layer w0.254: U3.21@52.411,23.118 52.434,23.141 53.875,23.141 54.61,23.876 54.61,25.343 53.288,26.665 v1(53.288,26.72) ; Q1.8@61.398,31.583 61.471,31.656 61.471,32.579 R18.1@62.293,33.401
  Bottom Layer w0.254: v1(53.288,26.72) 53.288,26.867 53.467,27.046 53.467,28.882 54.233,29.648 54.233,30.386 55.47,31.623 57.506,31.623 59.792,29.337 R20.2@62.459,29.337
  other v1: 63.754,24.613 64.77,24.689 64.719,25.781 63.729,25.806 63.576,26.848 64.059,31.318 63.068,31.344 64.364,32.182 63.906,32.918 64.795,32.969
SP_2: Q2.5 Q2.6 Q2.7 Q2.8 R41.1 R42.1 R44.2 U9.21 | length 4.7
  Top Layer w0.254: Q2.6@61.587,15.292 61.587,13.66 R41.1@61.912,13.335 ; Q2.7@61.587,20.292 61.587,21.353 62.281,22.047 62.281,22.593 R42.1@62.293,22.606
  other v1: 63.551,13.157 64.821,13.259 63.271,14.097 64.313,14.478 63.297,15.113 63.602,20.244 64.389,20.93 63.119,21.082 64.821,21.92 63.881,21.946
TD_N: D2.K J3.2 U2.6 | length 10.5
  Top Layer w0.132: U2.6@11.315,51.676 11.315,51.851 11.194,51.972 11.194,54.051 12.584,55.441 12.584,57.697 12.406,57.875 12.406,59.523 J3.2@12.446,59.563
  Bottom Layer w0.132: D2.K@10.77,59.944 10.77,59.849 10.854,59.765 10.949,59.765 11.151,59.563 J3.2@12.446,59.563
TD_P: D1.K J3.1 U2.7 | length 9.9
  Top Layer w0.132: U2.7@10.815,51.676 10.815,51.851 10.936,51.972 10.936,54.158 12.325,55.548 12.325,57.59 12.248,57.667 11.82,57.667 J3.1@11.176,57.023
  Bottom Layer w0.132: D1.K@11.151,55.169 11.163,55.181 11.163,57.01 J3.1@11.176,57.023
TX_CLK: U2.22 U8.18 | length 9.8
  Top Layer w0.254: U2.22@12.815,46.876 12.815,45.354 13.437,44.733 13.437,43.013 16.191,40.259 16.832,40.259 16.943,40.37 17.937,40.37
TX_D0: U2.24 U8.51 | length 7.2
  Top Layer w0.254: U2.24@13.815,46.876 13.815,45.362 14.145,45.032 14.145,43.394 16.572,40.967 16.731,40.967
TX_D1: U2.25 U8.52 | length 7.1
  Top Layer w0.254: U2.25@14.465,47.526 14.465,45.892 14.499,45.858 14.499,43.54 16.718,41.321
TX_D2: U2.26 U8.17 | length 8.3
  Top Layer w0.254: U2.26@14.465,48.026 14.814,48.026 14.884,47.955 14.917,47.955 15.065,47.806 15.065,43.745 17.497,41.313 17.497,41.227
TX_D3: U2.27 U8.1 | length 8.1
  Top Layer w0.254: U2.27@14.638,48.524 14.951,48.524 15.419,48.055 15.419,43.915 17.541,41.793
TX_EN: U2.23 U8.48 | length 7.9
  Top Layer w0.254: U2.23@13.315,46.876 13.315,45.355 13.791,44.88 13.791,43.159 16.337,40.613 16.685,40.613
USBD_N: J1.2 U1.32 | length 9.2
  Top Layer w0.166: J1.2@37.204,61.175 37.204,56.014 38.239,54.979 U1.32@38.239,52.371
USBD_P: J1.3 R2.1 U1.33 | length 10
  Top Layer w0.166: R2.1@35.824,57.988 35.951,57.861 36.404,57.861 J1.3@36.404,61.175 ; R2.1@36.398,57.861 36.398,55.905 37.739,54.565 U1.33@37.739,52.371
pads on no net: J1.1 J1.4 J3. J3.3 J3.4 J3.7 J3.8 J5.1 J5.4 J8. J8.4 J13. MH1.1 MH2.1 MH3.1 MH4.1 U1.2 U1.3 U1.4 U1.10 U1.11 U1.12 U1.13 U1.14 U1.15 U1.16 U1.17 U1.19 U1.21 U1.22 U1.28 U1.29 U1.30 U1.31 U1.41 U1.42 U1.43 U1.45 U1.46 U2.30 U2.31 U4.7 U4.8 U4.9 U4.10 U4.11 U4.12 U4.13 U4.15 U5.6 U5.7 U5.8 U5.9 U6.20 U6.21 U6.22 U6.23 U6.24 U6.25 U6.26 U6.29 U6.30 U6.35 U6.36 U8.2 U8.3 U8.4 U8.5 U8.7 U8.8 U8.9 U8.15 U8.38 U8.39 U8.40 U8.41 U8.42 U8.43 U8.44 U8.46 U8.67 U8.77 U8.81 U8.82 U8.83 U8.84 U8.85 U8.86 U8.87 U8.88 U8.91 U8.95 U8.96 U8.97 U8.98
copper on no net: | length 25
  Top Layer w0.254: 42.494,32.969 47.015,32.969 48.539,34.493 48.539,46.812 46.969,48.383 43.227,48.383
  other v3: 47.422,13.284

## Polygon pours and split planes (outlines as drawn)
SP_2 on Bottom Layer "SP_2_L04_P064" (solid, pour order 64): 61.316,19.558 61.316,20.091 63.729,22.504 65.38,22.504 65.38,12.675 62.865,12.675 62.865,14.935 61.265,16.535
+1V8 on Bottom Layer "+1V8_L04_P058" (solid, pour order 58): 10.008,22.987 10.008,21.641 15.723,21.641 15.672,21.692 15.672,22.987
+3V3 on Bottom Layer "+3V3_L04_P057" (solid, pour order 57): 12.319,27.864 13.818,27.864 13.818,26.854 14.478,26.403 14.478,25.857 14.249,25.629 13.665,25.629 13.665,24.536 13.538,24.409 12.319,24.409
GND on Bottom Layer "GND_L04_P056" (solid, pour order 56): 12.012,21.435 12.065,21.488 15.748,21.488 15.748,18.186 15.138,17.577 12.04,17.577
GND on Bottom Layer "GND_L04_P054" (solid, pour order 54): 14.097,13.843 15.342,13.843 15.443,13.945 15.443,15.85 18.593,15.85 18.593,12.903 14.173,12.903 14.122,12.954
+3V3 on Bottom Layer "+3V3_L04_P050" (solid, pour order 50): 3.886,23.165 7.518,23.165 7.518,21.209 7.391,21.082 5.537,21.082 5.537,18.491 5.512,18.466 3.886,18.466
NetC33_2 on Bottom Layer "NETC33_2_L04_P049" (solid, pour order 49): 9.728,21.336 9.728,14.478 13.31,14.478 13.411,14.58 13.411,16.332 11.913,16.332 11.608,16.637 11.633,16.662 11.633,21.336
+3V3 on Bottom Layer "+3V3_L04_P048" (solid, pour order 48): 9.713,29.235 9.739,29.261 9.739,30.861 9.282,31.318 8.723,31.318 8.723,32.715 8.748,32.741 12.533,32.741 12.533,31.318 12.507,31.293 10.755,31.293 10.323,30.861 10.323,29.235
SP on Bottom Layer "SP_L04_P045" (solid, pour order 45): 65.227,33.426 65.202,33.401 63.602,33.401 63.602,33.096 61.417,30.912 61.417,27.381 63.576,25.222 63.576,24.105 65.202,24.105 65.227,24.079
GND on Bottom Layer "GND_L04_P039" (solid, pour order 39): 52.883,40.818 50.343,40.818 50.394,40.869 50.394,46.482 54.178,46.482 54.254,46.406 54.254,45.263 52.934,45.263 52.883,45.314
+12V on Bottom Layer "+12V_L04_P035" (solid, pour order 35): 60.655,46.736 60.655,42.824 66.904,42.824 66.904,45.72 66.904,46.736
GND on Bottom Layer "GND_L04_P032" (solid, pour order 32): 50.292,57.861 55.347,57.861 55.372,57.887 55.524,57.734 55.524,53.238 50.292,53.238 50.267,53.213
+12V on Bottom Layer "+12V_L04_P030" (solid, pour order 30): 58.826,60.985 58.826,55.931 65.075,55.931 65.075,60.985
+3V3 on Bottom Layer "+3V3_L04_P008" (solid, pour order 8): 37.363,40.945 37.465,40.843 40.716,40.843 40.716,46.304 37.389,46.304 37.389,40.945
GND on Bottom Layer "GND_L04_P028" (solid, pour order 28): 29.642,45.923 31.953,45.923 32.004,45.872 32.004,41.097 29.794,41.097 29.642,41.097
GND on Bottom Layer "GND_L04_P026" (solid, pour order 26): 45.809,63.144 45.783,63.119 39.713,63.119 39.713,59.284 45.833,59.284
GND on Bottom Layer "GND_L04_P025" (solid, pour order 25): 45.503,68.662 45.477,68.637 39.407,68.637 39.407,64.801 45.527,64.801
GND on Bottom Layer "GND_L04_P023" (solid, pour order 23): 33.147,62.56 33.122,62.535 33.122,59.538 27.991,59.538 27.965,59.563 28.042,59.639 28.042,61.951 28.651,62.56
GND on Bottom Layer "GND_L04_P017" (solid, pour order 17): 30.709,68.174 35.001,68.174 35.001,65.075 30.709,65.075
GND on Bottom Layer "GND_L04_P016" (solid, pour order 16): 29.134,56.032 31.445,56.032 31.471,56.007 31.445,55.982 31.445,52.527 29.134,52.527 29.108,52.553 29.134,52.578 29.134,56.007
+3V3 on Bottom Layer "+3V3_L04_P012" (solid, pour order 12): 36.906,52.324 36.855,52.375 31.725,52.375 31.725,54.839 32.106,55.22 36.906,55.22
+3V3 on Bottom Layer "+3V3_L04_P011" (solid, pour order 11): 36.906,52.375 36.855,52.426 31.725,52.426 31.725,54.889 32.106,55.27 36.906,55.27
+3V3 on Bottom Layer "+3V3_L04_P010" (solid, pour order 10): 36.881,52.324 36.83,52.375 31.699,52.375 31.699,54.839 32.08,55.22 36.881,55.22
GND on Bottom Layer "GND_L04_P007" (solid, pour order 7): 18.161,42.571 18.161,38.633 18.11,38.684 2.487,38.684 2.487,42.674
GND on Bottom Layer "GND_L04_P006" (solid, pour order 6): 19.253,45.593 16.383,45.593 14.783,47.193 14.783,53.365 16.205,54.788 19.025,54.788 19.253,54.559
+3V3 on Bottom Layer "+3V3_L04_P005" (solid, pour order 5): 5.69,43.688 6.325,43.053 17.628,43.053 17.628,44.831 10.566,44.831 10.541,44.806 10.49,44.856 10.49,46.965 8.915,46.965 8.865,47.015 8.814,46.965 7.264,46.965 5.69,45.39
no net on Bottom Layer "NONET_L04_P002" (solid, pour order 2): 12.573,52.324 12.7,52.324 14.732,52.324 14.732,53.721 15.215,53.721 15.215,54.991 12.979,54.991 12.573,54.585
+12V on Top Layer "+12V_L01_P065" (solid, remove dead copper, pour order 65): 51.384,11.709 51.384,13.386 51.638,13.386 52.146,13.894 52.146,17.704 53.823,17.704 53.848,17.729 53.848,11.709
SP_2 on Top Layer "SP_2_L01_P063" (solid, pour order 63): 60.528,19.482 63.627,19.482 65.278,21.133 65.278,22.479 63.525,22.479 62.103,21.057 60.528,21.057
SP_2 on Top Layer "SP_2_L01_P062" (solid, pour order 62): 60.554,16.078 63.424,16.078 65.507,13.995 65.507,12.776 61.468,12.776 61.417,12.827 61.417,14.376 60.554,14.376
SH1_2 on Top Layer "SH1_2_L01_P061" (solid, pour order 61): 59.665,17.704 59.665,16.688 59.69,16.662 63.475,16.662 64.922,15.215 67.818,15.215 67.818,17.704
SH2_2 on Top Layer "SH2_2_L01_P059" (solid, pour order 59): 59.766,18.059 59.766,19.202 63.602,19.202 65.303,20.904 67.843,20.904 67.843,18.059
GND on Top Layer "GND_L01_P055" (solid, pour order 55): 14.097,13.843 15.342,13.843 15.443,13.945 15.443,15.85 18.593,15.85 18.593,12.903 14.173,12.903 14.122,12.954
+3V3 on Top Layer "+3V3_L01_P047" (solid, pour order 47): 9.677,29.235 9.703,29.261 9.703,30.861 9.246,31.318 8.687,31.318 8.687,32.715 8.712,32.741 12.497,32.741 12.497,31.318 12.471,31.293 10.719,31.293 10.287,30.861 10.287,29.235
GND on Top Layer "GND_L01_P046" (solid, remove dead copper, pour order 46): 8.712,34.747 8.712,32.868 8.738,32.842 10.693,32.842 10.693,34.595 10.541,34.747
+3V3 on Top Layer "+3V3_L01_P037" (solid, remove dead copper, pour order 37): 54.559,45.949 54.585,45.923 54.585,40.132 56.388,40.132 56.464,40.056 56.464,39.649 61.341,39.649 61.468,39.522 61.468,38.456 63.652,38.456 63.754,38.354 63.754,33.909 59.508,33.909 59.508,38.049 52.629,38.049 52.451,38.227 52.451,40.259 52.502,40.259 53.518,41.275 53.518,45.949
SP on Top Layer "SP_L01_P044" (solid, pour order 44): 61.087,25.705 61.112,25.73 61.112,27.381 63.779,27.381 63.856,27.457 65.253,26.06 65.253,24.257 65.227,24.232 62.052,24.232 62.052,25.705
SP on Top Layer "SP_L01_P043" (solid, remove dead copper, pour order 43): 61.138,30.861 61.138,32.487 62.967,32.487 63.906,33.426 65.227,33.426 65.227,31.775 64.313,30.861
+12V on Top Layer "+12V_L01_P042" (solid, pour order 42): 59.207,32.334 58.776,32.334 58.776,30.632 57.023,30.632 57.023,30.429 54.864,28.27 54.864,25.425 57.15,25.425 57.15,27.737 58.699,27.737 58.75,27.686 58.75,25.781 59.207,25.781
SH1 on Top Layer "SH1_L01_P041" (solid, pour order 41): 60.325,28.829 60.325,27.813 60.35,27.788 64.135,27.788 65.43,26.492 67.92,26.492 67.92,28.804 67.894,28.829
SH2 on Top Layer "SH2_L01_P040" (solid, pour order 40): 60.3,29.286 60.3,30.429 64.135,30.429 65.38,31.674 67.894,31.674 67.894,29.286
+12V on Top Layer "+12V_L01_P036" (solid, pour order 36): 60.706,46.736 60.706,42.824 66.904,42.824 66.904,45.72 66.904,46.736
NetC78_1 on Top Layer "NETC78_1_L01_P034" (solid, pour order 34): 63.932,50.394 51.181,50.394 51.181,43.637 51.206,43.612 52.527,43.612 52.527,48.412 60.731,48.412 60.731,47.295 63.957,47.295
GND on Top Layer "GND_L01_P033" (solid, pour order 33): 50.292,57.861 55.347,57.861 55.372,57.887 55.524,57.734 55.524,53.238 50.292,53.238 50.267,53.213
+12V on Top Layer "+12V_L01_P031" (solid, pour order 31): 58.826,60.985 58.826,55.931 65.075,55.931 65.075,60.985
GND on Top Layer "GND_L01_P029" (solid, remove dead copper, pour order 29): 30.988,44.958 32.614,44.958 32.614,41.046 29.211,41.046
GND on Top Layer "GND_L01_P027" (solid, pour order 27): 39.75,63.094 39.775,63.068 45.846,63.068 45.846,59.233 39.726,59.233
GND on Top Layer "GND_L01_P024" (solid, pour order 24): 39.192,68.656 39.218,68.631 45.517,68.631 45.517,64.795 39.168,64.795
GND on Top Layer "GND_L01_P021" (solid, pour order 21): 33.172,62.586 33.172,59.563 33.122,59.512 27.991,59.512 27.991,61.9 28.677,62.586
GND on Top Layer "GND_L01_P020" (solid, pour order 20): 30.709,68.174 35.154,68.174 35.154,64.897 30.709,64.897
GND on Top Layer "GND_L01_P015" (solid, pour order 15): 31.445,52.553 29.108,52.553 29.108,56.032 29.312,56.032 31.471,56.032
no net on Top Layer "NONET_L01_P014" (solid, pour order 14): 31.445,52.527 29.108,52.527 29.108,56.007 29.312,56.007 31.471,56.007
+3V3 on Top Layer "+3V3_L01_P013" (solid, pour order 13): 31.725,52.527 35.687,52.527 35.916,52.299 35.916,51.46 35.89,51.435 36.5,51.435 36.5,54.61 35.789,55.321 32.029,55.321 31.699,54.991
+3V3 on Top Layer "+3V3_L01_P009" (solid, remove dead copper, pour order 9): 39.929,42.85 40.538,42.85 40.538,47.32 37.414,47.32 37.313,47.219 37.313,45.339 39.599,45.339 39.929,45.009 39.929,42.824
NetC11_1 on Top Layer "NETC11_1_L01_P004" (solid, pour order 4): 12.573,51.308 13.005,51.308 13.005,52.095 13.106,52.197 14.757,52.197 14.757,53.772 15.138,53.772 15.138,54.966 13.132,54.966 12.548,54.381 12.548,51.359
+12V on VCC (split plane): 69.721,0.51 48.143,0.51 48.785,1.152 48.832,1.21 48.868,1.276 48.889,1.348 48.897,1.422 48.897,32.963 48.977,33.044 64.795,33.044 64.87,33.051 64.942,33.073 65.008,33.108 65.066,33.156 65.114,33.214 65.149,33.28 65.171,33.352 65.178,33.426 65.178,41.554 65.171,41.629 65.149,41.701 65.114,41.767 65.066,41.825 64.126,42.765 64.068,42.813 64.002,42.848 63.93,42.87 63.856,42.877 58.904,42.877 58.904,49.68 58.979,55.4 58.98,55.401 59.015,55.467 59.037,55.539 59.044,55.613 59.037,55.688 59.015,55.76 58.98,55.826 58.932,55.884 56.71,58.107 56.651,58.154 56.619,58.171 54.83,59.961 54.772,60.008 54.706,60.044 54.634,60.065 54.559,60.073 49.663,60.073 47.449,62.287 47.449,69.594 69.721,69.594
+1V8 on VCC (split plane): 268 vertices, not listed, extent 0.51,0.51 64.413,69.594
GND on GND (split plane): 69.721,0.51 0.51,0.51 0.51,6.463 13.03,6.463 13.08,6.469 13.107,6.48 13.126,6.488 13.166,6.519 15.249,8.602 15.279,8.642 15.299,8.688 15.305,8.738 15.305,11.974 17.653,11.974 17.703,11.981 17.749,12 17.789,12.031 17.819,12.071 17.839,12.117 17.845,12.167 17.845,26.695 17.839,26.745 17.819,26.791 17.789,26.831 17.749,26.862 17.703,26.881 17.653,26.888 12.014,26.888 11.964,26.881 11.918,26.862 11.878,26.831 11.848,26.791 11.829,26.745 11.822,26.695 11.829,26.646 11.848,26.599 11.878,26.56 11.918,26.529 11.964,26.51 12.014,26.503 17.461,26.503 17.461,12.359 15.113,12.359 15.063,12.352 15.017,12.333 14.977,12.302 14.947,12.263 14.927,12.216 14.921,12.167 14.921,8.817 12.951,6.847 0.51,6.847 0.51,28.002 8.941,28.002 8.991,28.008 9.037,28.028 9.077,28.058 9.107,28.098 9.126,28.144 9.133,28.194 9.126,28.244 9.107,28.29 9.077,28.33 9.037,28.36 8.991,28.38 8.941,28.386 0.51,28.386 0.51,38.162 16.684,38.162 17.461,37.385 17.461,29.159 17.467,29.109 17.479,29.082 17.486,29.064 17.486,28.705 17.192,28.412 10.617,28.412 10.567,28.405 10.521,28.386 10.481,28.355 10.451,28.315 10.432,28.269 10.425,28.219 10.432,28.17 10.451,28.123 10.481,28.084 10.521,28.053 10.567,28.034 10.617,28.027 17.272,28.027 17.322,28.034 17.349,28.045 17.368,28.053 17.408,28.084 17.814,28.49 17.845,28.53 17.864,28.576 17.865,28.582 17.871,28.626 17.871,29.134 17.865,29.178 17.864,29.184 17.845,29.229 17.845,37.465 17.839,37.515 17.819,37.561 17.789,37.601 16.9,38.49 16.86,38.52 16.841,38.528 16.814,38.54 16.764,38.546 0.51,38.546 0.51,69.594 69.721,69.594

## Keep-outs
Keep-Out Layer:
  lines w0.127: 0,60 0,0 ; 60,0 0,0 ; 0,0 0,70.104 70.231,70.104 70.231,0 0,0

## Other copper
GND (plane layer: these items are gaps in the copper):
  rectangle: 18.288,14.402 23.292,29.058
  lines w0.381: -0.025,6.655 13.03,6.655 15.113,8.738 15.113,12.167 17.653,12.167 17.653,26.695 12.014,26.695 ; 0,38.354 16.764,38.354 17.653,37.465 17.653,29.159 17.678,29.134 17.678,28.626 17.272,28.219 10.617,28.219 ; 0.025,28.194 8.941,28.194
VCC (plane layer: these items are gaps in the copper):
  lines w0.381: 0.025,28.245 8.839,28.245 ; 0.025,38.379 16.764,38.379 17.653,37.49 17.653,28.677 17.196,28.219 10.643,28.219 ; 0.152,8.788 11.887,8.788 12.852,9.754 12.852,14.757 14.173,16.078 14.173,21.336 10.566,21.336 10.566,24.13 10.947,24.511 17.602,24.511 ; 10.77,26.695 17.653,26.695 17.653,12.167 15.113,12.167 15.113,8.738 13.03,6.655 8.23,6.655 8.23,3.937 9.423,2.743 28.27,2.743 28.296,2.769 45.263,2.769 47.473,4.978
  lines w0.762: 47.066,70.028 47.066,62.128 49.505,59.69 54.559,59.69 56.413,57.836 56.439,57.836 58.661,55.613 58.598,55.55 58.522,49.682 58.522,42.494 63.856,42.494 64.795,41.554 64.795,33.426 55.042,33.426 48.819,33.426 48.514,33.122 48.514,1.422 47.219,0.127

## Silkscreen, mask and mechanical layers (free items; w line width, h text height)
Top Overlay:
  lines w0.254: -0.127,38.354 16.764,38.354 17.653,37.465 17.653,12.573

## Text inside footprints (layer, text, board x,y; h text height)
D5: Top Overlay "K" at 60.611,49.857 h0.89 r90; Top Overlay "A" at 60.486,42.732 h0.89 r90
D6: Top Overlay "A" at 56.286,37.88 h0.89; Top Overlay "K" at 60.599,37.813 h0.89
D7: Top Overlay "A" at 62.069,9.084 h0.89 r270; Top Overlay "K" at 61.944,1.959 h0.89 r270
DS1: Top Overlay "K" at 20.599,45.263 h0.56 r180; Top Overlay "A" at 15.646,45.263 h0.51 r180
DS2: Top Overlay "A" at 15.767,47.165 h0.51 r180; Top Overlay "K" at 20.48,47.24 h0.56 r180
U4: Bottom Overlay "1" at 42.951,53.315 h0.89; Bottom Overlay "8" at 42.878,42.355 h0.89; Bottom Overlay "9" at 34.984,42.478 h0.89; Bottom Overlay "16" at 35.712,53.442 h0.89
U5: Top Overlay "1" at 11.663,37.172 h0.64 r270; Top Overlay "16" at 11.684,29.083 h0.64 r270; Top Overlay "9" at 6.121,29.54 h0.64 r270; Top Overlay "8" at 7.087,37.389 h0.64 r270